# Altium PCB MyNixie - 副本.PcbDoc (part 2 of 2)
Units mm, origin at the board's own origin, x right, y up, seen from the top; angles counter-clockwise.
Board outline 190.25 x 80.25 mm, 2 copper layers (Top Layer, Bottom Layer); 206 components, 192 nets, 688 pads, 256 vias.
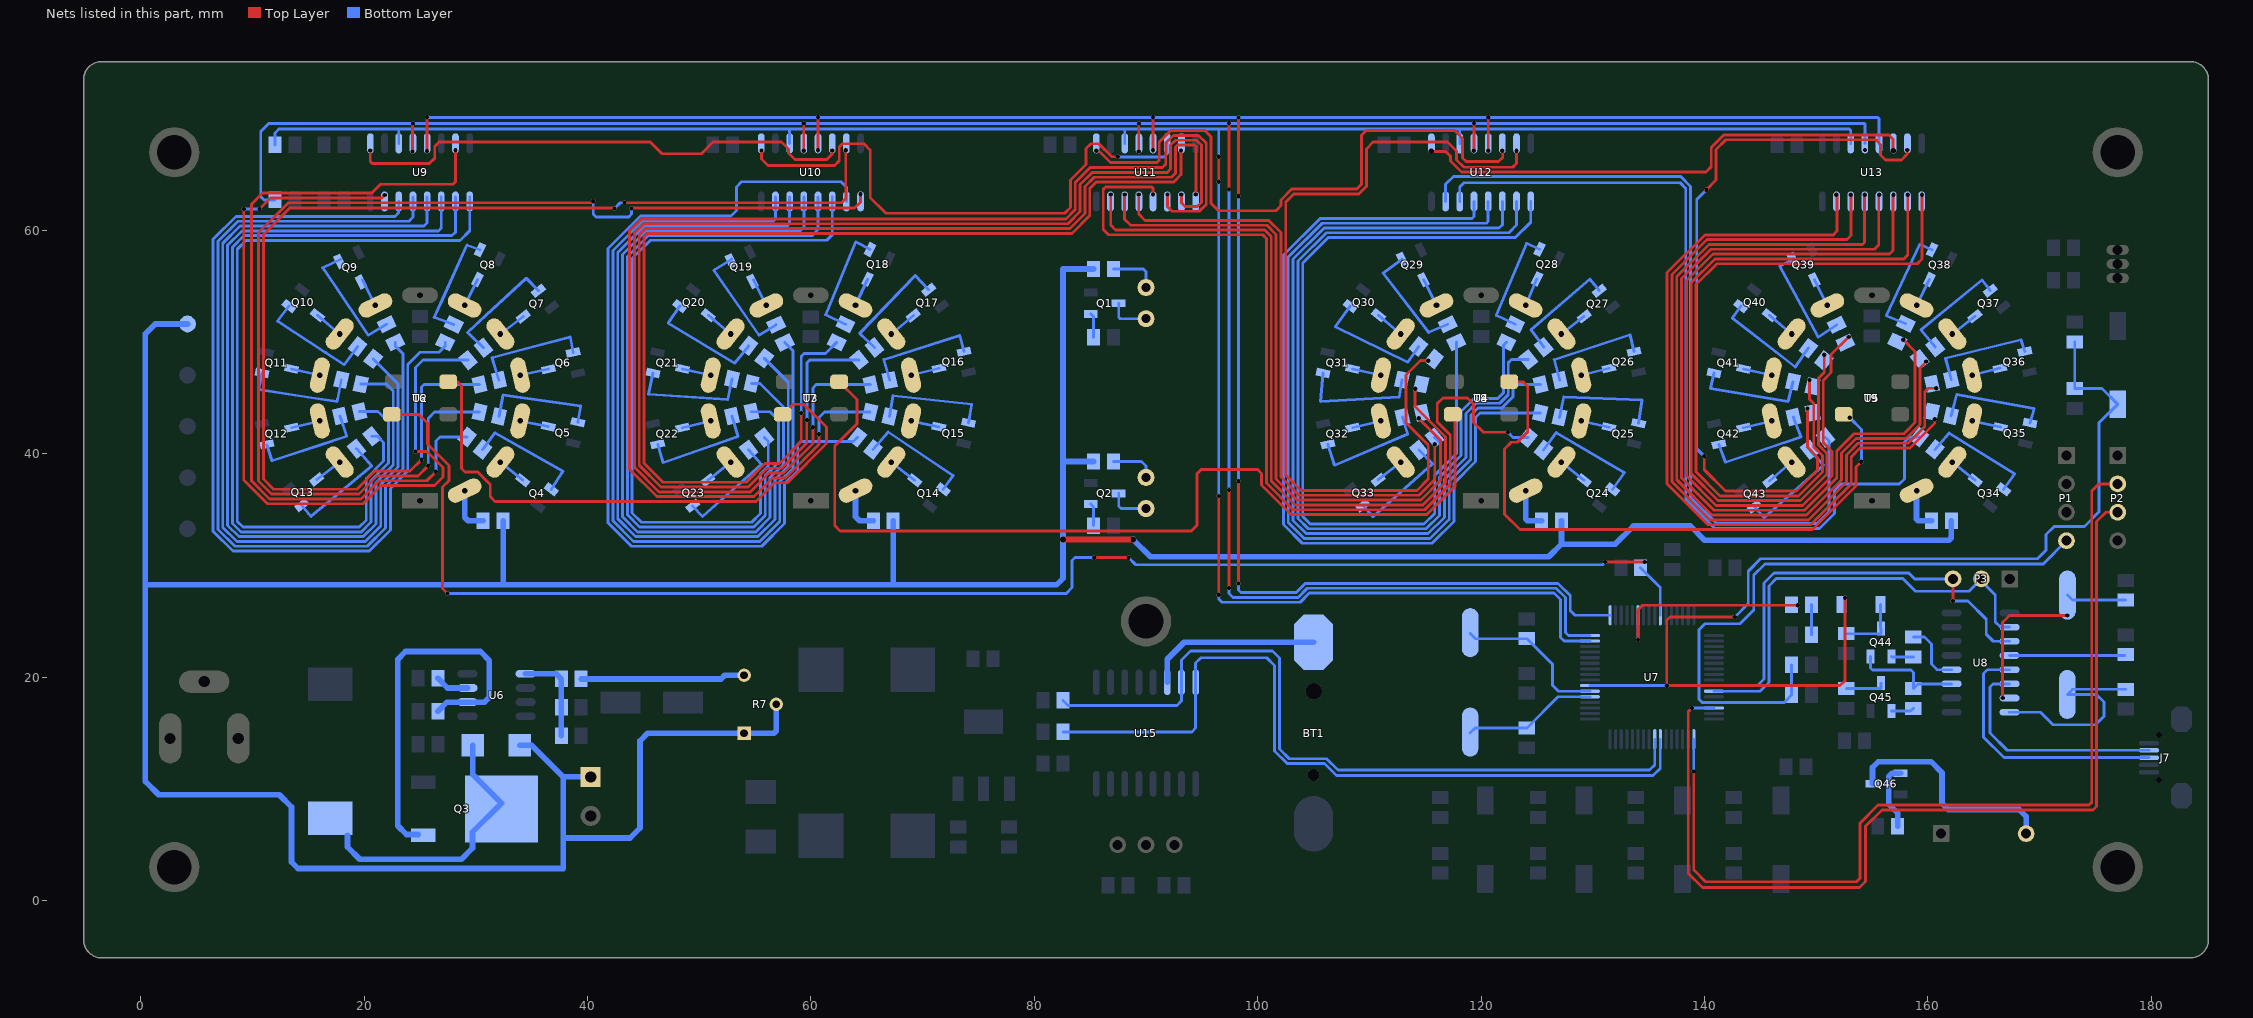
[diagram p2: the nets of this part, all layers, seen from the top]

## Via types
v1: diameter 0.381, hole 0.381, Top Layer to Bottom Layer, 190 vias
v2: diameter 0.508, hole 0.508, Top Layer to Bottom Layer, 66 vias

## Nets (pads, with @x,y where several pads share a name; then routed paths per layer and width w, separated by ;. In a path a pad name is that pad's centre, name@x,y a point inside that pad or via, vN(x,y) a via of type N, cw(c..) or ccw(c..) an arc to the next point about the centre after c; other vN are vias at no path point) (continued)
LATCHCLK: R21.2 U7.16 U9.12 U10.12 U11.12 U12.12 U13.12 | length 241
  Top Layer w0.254: v1(24.333,67.081) 24.333,69.539 v1(24.365,69.571) ; v1(59.36,67.132) v1@59.36,69.545 ; v1@89.357,67.056 v1@89.357,69.479 ; v1(97.434,27.991) v1(97.434,36.779) ; v1(97.434,63.678) v1(97.434,69.596) ; v1@119.365,67.208 v1@119.365,69.509
  Bottom Layer w0.254: R21.2@12.01,62.737 11.025,62.737 10.744,63.017 10.744,68.859 11.455,69.571 v1(24.365,69.571) v1(59.36,69.571) 154.33,69.571 154.365,69.536 U13.12@154.365,67.803 ; v1(97.434,27.991) 97.434,27.508 97.79,27.153 103.63,27.153 104.443,27.965 126.723,27.965 127.559,27.129 127.559,24.021 127.83,23.75 U7.16@129.75,23.75 ; v1(97.434,36.779) v1(97.434,63.678)
  other v1: 89.357,67.081 119.355,67.132 154.381,67.201 89.365,69.588 119.365,69.611
LED_DEBUG: R13.2 U7.22 | length 19.3
  Top Layer w0.254: v1(134.05,23.368) 134.05,26.049 134.442,26.441 v1(148.361,26.441)
  Bottom Layer w0.254: v1(134.05,23.368) U7.22@134.05,25.55
METALKEY: C3.2 P1.4 R1.2 U7.45 | length 55.6
  Bottom Layer w0.254: R1.2@147.81,21.107 C3.2@147.81,18.41 147.15,17.75 U7.45@140.85,17.75 139.806,17.75 139.522,18.034 139.522,24.257 140.056,24.79 143.18,24.79 144.412,26.022 144.412,29.147 145.415,30.15 170.332,30.15 P1.4@172.415,32.233
NetBT1_1: BT1.1 U15.14 | length 15.8
  Bottom Layer w0.508: U15.14@91.905,19.55 91.905,21.605 93.428,23.128 BT1.1@105,23.128
NetC8_2: C8.2 R3.2 R4.1 U6.5 | length 8.5
  Bottom Layer w0.508: U6.5@34.45,20.315 37.185,20.315 R4.1@37.65,19.85 C8.2@37.65,17.302 R3.2@37.65,14.755
NetC9_1: C9.1 U6.3 | length 3
  Bottom Layer w0.508: C9.1@26.6,19.91 27.465,19.045 U6.3@29.25,19.045
NetC13_2: C13.2 U7.5 Y1.1 | length 12.1
  Bottom Layer w0.254: Y1.1@119.022,15.01 119.48,15.469 C13.2@124.1,15.469 126.881,18.25 U7.5@129.75,18.25
NetC14_2: C14.2 U7.6 Y1.2 | length 14
  Bottom Layer w0.254: Y1.2@119.031,23.91 119.489,23.452 C14.2@124.1,23.452 126.39,21.162 126.39,19.279 126.919,18.75 U7.6@129.75,18.75
NetC24_1: C24.1 U8.4 | length 10.3
  Bottom Layer w0.254: U8.4@167.32,21.948 C24.1@177.638,21.948
NetC25_1: C25.1 U8.7 Y2.1 | length 18.2
  Top Layer w0.254: v1(166.7,18.136) 166.7,24.917 167.31,25.527 v1(172.491,25.527)
  Bottom Layer w0.254: Y2.1@172.504,27.36 172.963,26.902 C25.1@177.71,26.902
NetC26_1: C26.1 U8.8 Y2.2 | length 19.5
  Bottom Layer w0.254: U8.8@167.32,16.868 170.076,16.868 171.196,15.748 175.006,15.748 175.768,16.51 175.768,17.78 175.088,18.46 Y2.2@172.496,18.46 172.954,18.918 C26.1@177.71,18.918
NetD2_1: D2.1 L1.2 Q3.2 | length 24.5
  Bottom Layer w0.508: 18.5,5.843 18.5,4.8 19.6,3.7 28.7,3.7 29.7,4.7 29.7,6.13 32.29,8.72 29.72,11.29 D2.1@29.72,13.91
NetD3_K: D3.K R13.1 | length 2.7
  Bottom Layer w0.254: D3.K@149.59,23.803 R13.1@149.59,26.5
NetD4_2: D4.2 Q44.3 R19.1 | length 5.7
  Bottom Layer w0.254: R19.1@152.71,23.9 155.777,23.9 155.81,23.933 Q44.3@155.81,24.367 155.76,24.417 D4.2@155.76,26.51
NetJ8_2: J8.2 Q46.3 | length 20.6
  Bottom Layer w0.508: Q46.3@155.05,10.46 155.05,11.921 155.575,12.446 160.274,12.446 161.265,11.455 161.265,8.712 161.823,8.153 168.173,8.153 168.8,7.527 J8.2@168.8,6
NetQ1_1: Q1.1 R2.1 | length 2.2
  Bottom Layer w0.254: Q1.1@85.053,52.536 85.307,52.283 R2.1@85.307,50.438
NetQ1_3: Q1.3 UP1.2 | length 3.7
  Bottom Layer w0.254: Q1.3@87.553,53.486 87.553,52.249 87.699,52.103 UP1.2@90,52.103
NetQ2_1: Q2.1 R9.1 | length 2
  Bottom Layer w0.254: Q2.1@85.053,35.503 85.307,35.25 R9.1@85.307,33.576
NetQ2_3: Q2.3 UP2.2 | length 3.7
  Bottom Layer w0.254: Q2.3@87.553,36.453 87.553,35.332 87.782,35.103 UP2.2@90,35.103
NetQ3_1: Q3.1 R10.2 U6.2 | length 34.3
  Bottom Layer w0.508: Q3.1@24.85,5.918 23.782,5.918 23,6.7 23,21.6 23.7,22.3 30.4,22.3 31.2,21.5 31.2,18.2 30.775,17.775 U6.2@29.25,17.775 27.42,17.775 R10.2@26.6,16.955
NetQ4_3: Q4.3 T6.3 | length 2.6
  Bottom Layer w0.254: T6.3@32.193,39.264 Q4.3@34.203,37.639
NetQ5_3: Q5.3 T6.4 | length 2.6
  Bottom Layer w0.254: T6.4@33.969,42.953 Q5.3@36.481,42.448
NetQ6_3: Q6.3 T6.5 | length 2.6
  Bottom Layer w0.254: T6.5@33.969,47.047 Q6.3@36.491,47.592
NetQ7_3: Q7.3 T6.6 | length 2.6
  Bottom Layer w0.254: T6.6@32.193,50.736 Q7.3@34.243,52.301
NetQ8_3: Q8.3 T6.7 | length 2.6
  Bottom Layer w0.254: T6.7@28.992,53.289 Q8.3@30.148,55.604
NetQ9_3: Q9.3 T6.9 | length 2.6
  Bottom Layer w0.254: Q9.3@19.822,55.584 T6.9@21.008,53.289
NetQ10_3: Q10.3 T6.10 | length 2.6
  Bottom Layer w0.254: Q10.3@15.817,52.411 T6.10@17.807,50.736
NetQ11_3: Q11.3 T6.11 | length 2.6
  Bottom Layer w0.254: Q11.3@13.499,47.612 T6.11@16.031,47.047
NetQ12_3: Q12.3 T6.12 | length 2.6
  Bottom Layer w0.254: Q12.3@13.509,42.338 T6.12@16.031,42.953
NetQ13_3: Q13.3 T6.13 | length 2.6
  Bottom Layer w0.254: Q13.3@15.757,37.709 T6.13@17.807,39.264
NetQ14_3: Q14.3 T7.3 | length 2.6
  Bottom Layer w0.254: T7.3@67.193,39.264 Q14.3@69.283,37.639
NetQ15_3: Q15.3 T7.4 | length 2.5
  Bottom Layer w0.254: T7.4@68.969,42.953 Q15.3@71.451,42.408
NetQ16_3: Q16.3 T7.5 | length 2.6
  Bottom Layer w0.254: T7.5@68.969,47.047 Q16.3@71.471,47.672
NetQ17_3: Q17.3 T7.6 | length 2.6
  Bottom Layer w0.254: T7.6@67.193,50.736 Q17.3@69.173,52.391
NetQ18_3: Q18.3 T7.7 | length 2.6
  Bottom Layer w0.254: T7.7@63.992,53.289 Q18.3@65.068,55.634
NetQ19_3: Q19.3 T7.9 | length 2.6
  Bottom Layer w0.254: Q19.3@54.852,55.594 T7.9@56.008,53.289
NetQ20_3: Q20.3 T7.10 | length 2.6
  Bottom Layer w0.254: Q20.3@50.817,52.411 T7.10@52.807,50.736
NetQ21_3: Q21.3 T7.11 | length 2.6
  Bottom Layer w0.254: Q21.3@48.499,47.612 T7.11@51.031,47.047
NetQ22_3: Q22.3 T7.12 | length 2.6
  Bottom Layer w0.254: Q22.3@48.509,42.338 T7.12@51.031,42.953
NetQ23_3: Q23.3 T7.13 | length 2.6
  Bottom Layer w0.254: Q23.3@50.767,37.649 T7.13@52.807,39.264
NetQ24_3: Q24.3 T8.3 | length 2.6
  Bottom Layer w0.254: T8.3@127.193,39.264 Q24.3@129.223,37.639
NetQ25_3: Q25.3 T8.4 | length 2.6
  Bottom Layer w0.254: T8.4@128.969,42.953 Q25.3@131.461,42.378
NetQ26_3: Q26.3 T8.5 | length 2.6
  Bottom Layer w0.254: T8.5@128.969,47.047 Q26.3@131.461,47.672
NetQ27_3: Q27.3 T8.6 | length 2.6
  Bottom Layer w0.254: T8.6@127.193,50.736 Q27.3@129.223,52.311
NetQ28_3: Q28.3 T8.7 | length 2.6
  Bottom Layer w0.254: T8.7@123.992,53.289 Q28.3@124.998,55.664
NetQ29_3: Q29.3 T8.9 | length 2.6
  Bottom Layer w0.254: Q29.3@114.852,55.594 T8.9@116.008,53.289
NetQ30_3: Q30.3 T8.10 | length 2.6
  Bottom Layer w0.254: Q30.3@110.817,52.411 T8.10@112.807,50.736
NetQ31_3: Q31.3 T8.11 | length 2.6
  Bottom Layer w0.254: Q31.3@108.499,47.612 T8.11@111.031,47.047
NetQ32_3: Q32.3 T8.12 | length 2.6
  Bottom Layer w0.254: Q32.3@108.509,42.338 T8.12@111.031,42.953
NetQ33_3: Q33.3 T8.13 | length 2.6
  Bottom Layer w0.254: Q33.3@110.787,37.669 T8.13@112.807,39.264
NetQ34_3: Q34.3 T9.3 | length 2.6
  Bottom Layer w0.254: T9.3@162.193,39.264 Q34.3@164.233,37.639
NetQ35_3: Q35.3 T9.4 | length 2.6
  Bottom Layer w0.254: T9.4@163.969,42.953 Q35.3@166.501,42.398
NetQ36_3: Q36.3 T9.5 | length 2.6
  Bottom Layer w0.254: T9.5@163.969,47.047 Q36.3@166.461,47.682
NetQ37_3: Q37.3 T9.6 | length 2.6
  Bottom Layer w0.254: T9.6@162.193,50.736 Q37.3@164.223,52.321
NetQ38_3: Q38.3 T9.7 | length 2.6
  Bottom Layer w0.254: T9.7@158.992,53.289 Q38.3@160.138,55.614
NetQ39_3: Q39.3 T9.9 | length 2.6
  Bottom Layer w0.254: Q39.3@149.842,55.594 T9.9@151.008,53.289
NetQ40_3: Q40.3 T9.10 | length 2.6
  Bottom Layer w0.254: Q40.3@145.817,52.411 T9.10@147.807,50.736
NetQ41_3: Q41.3 T9.11 | length 2.6
  Bottom Layer w0.254: Q41.3@143.499,47.612 T9.11@146.031,47.047
NetQ42_3: Q42.3 T9.12 | length 2.6
  Bottom Layer w0.254: Q42.3@143.509,42.338 T9.12@146.031,42.953
NetQ43_3: Q43.3 T9.13 | length 2.6
  Bottom Layer w0.254: Q43.3@145.837,37.569 T9.13@147.807,39.264
NetQ44_1: Q44.1 R20.2 | length 2
  Bottom Layer w0.254: Q44.1@156.76,21.867 156.807,21.82 R20.2@158.71,21.82
NetQ44_2: Q44.2 R28.1 U8.11 | length 10.1
  Bottom Layer w0.254: Q44.2@154.86,21.867 154.86,20.832 155.042,20.65 158.496,20.65 158.71,20.436 R28.1@158.71,19 159.118,19.408 U8.11@162.12,19.408
NetQ45_1: Q45.1 R28.2 | length 2.1
  Bottom Layer w0.254: Q45.1@156.76,16.967 158.457,16.967 R28.2@158.71,17.22
NetQ45_3: Q45.3 R60.2 | length 3.6
  Bottom Layer w0.254: R60.2@152.71,19 155.804,19 155.81,19.006 Q45.3@155.81,19.467
NetQ46_1: Q46.1 R74.2 | length 6
  Bottom Layer w0.508: R74.2@157.297,6.66 157.297,7.849 156.489,8.656 156.489,11.1 156.8,11.41 Q46.1@157.55,11.41
NetR4_2: R4.2 R7.3 | length 14.7
  Bottom Layer w0.508: R4.2@39.43,19.85 51.95,19.85 52.28,20.18 R7.3@54.02,20.18
NetR5_1: R5.1 UP1.1 | length 4.4
  Bottom Layer w0.254: R5.1@87.086,56.555 89.749,56.555 90,56.304 UP1.1@90,54.897
NetR6_1: R6.1 T7.2 | length 4.1
  Bottom Layer w0.508: T7.2@63.992,36.711 63.992,34.377 64.358,34.011 R6.1@65.582,34.011
NetR8_1: R8.1 T6.2 | length 4.2
  Bottom Layer w0.508: T6.2@28.992,36.711 28.992,34.33 29.312,34.011 R8.1@30.657,34.011
NetR11_1: R11.1 UP2.1 | length 4.1
  Bottom Layer w0.254: R11.1@87.086,39.316 89.589,39.316 90,38.905 UP2.1@90,37.897
NetR15_1: R15.1 T8.2 | length 4
  Bottom Layer w0.508: T8.2@123.992,36.711 123.992,34.166 124.148,34.011 R15.1@125.424,34.011
NetR16_1: R16.1 T9.2 | length 3.9
  Bottom Layer w0.508: T9.2@158.992,36.711 158.992,34.165 159.146,34.011 R16.1@160.324,34.011
NetR20_1: R20.1 U8.12 | length 5.7
  Bottom Layer w0.254: R20.1@158.71,23.6 159.712,23.6 160.325,22.987 160.325,21.184 160.83,20.678 U8.12@162.12,20.678
NetR22_1: R22.1 U9.15 | length 70.6
  Top Layer w0.254: v1(26.416,38.405) 25.603,37.592 21.338,37.592 19.713,35.966 11.529,35.966 9.906,37.59 9.906,62.357 10.897,63.348 20.676,63.348 21.463,64.135 27.94,64.135 28.169,64.364 v1(28.169,67.183)
  Bottom Layer w0.254: v1(26.416,38.405) 26.416,41.148 26.773,41.505 R22.1@29.214,41.505
NetR23_1: R23.1 U10.15 | length 107.1
  Top Layer w0.254: v1(25.121,39.472) 24.105,38.456 20.98,38.456 19.355,36.83 11.887,36.83 10.973,37.744 10.973,59.638 13.336,62.001 v1@42.418,62.001 ; v1(43.307,62.484) 62.738,62.484 63.119,62.865 v1(63.119,67.183)
  Bottom Layer w0.254: v1(25.121,39.472) 25.121,45.974 25.359,46.212 R23.1@30.322,46.212 ; v1(42.418,61.976) 42.926,62.484 v1(43.307,62.484)
NetR24_1: R24.1 U11.15 | length 101.8
  Top Layer w0.254: v1(59.131,43.663) 59.131,41.097 57.175,39.141 55.88,39.141 54.204,37.465 46.761,37.465 45.06,39.167 45.06,59.411 45.39,59.741 83.366,59.741 84.963,61.338 84.963,63.751 85.55,64.338 92.481,64.338 93.142,64.999 v1(93.142,67.158)
  Bottom Layer w0.254: v1(59.131,43.663) 59.131,48.717 59.387,48.973 61.289,48.973 R24.1@62.314,49.998
NetR25_1: R25.1 U12.15 | length 78.4
  Top Layer w0.254: v1(115.28,48.349) 114.577,48.349 113.289,47.061 113.289,42.781 115.265,40.805 115.265,37.744 114.249,36.728 103.887,36.728 102.514,38.101 102.514,62.56 103.226,63.271 109.042,63.271 109.728,63.957 109.728,67.31 110.338,67.92 116.992,67.92 117.805,67.107 117.805,66.319 118.466,65.659 122.834,65.659 123.172,65.997 v1@123.172,67.173
  other v1: 123.172,67.132
NetR26_1: R26.1 U13.15 | length 66.8
  Top Layer w0.254: v1(139.982,39.787) 139.982,38.58 141.887,36.675 148.242,36.675 150.124,38.557 150.124,39.687 149.217,40.594 v1(149.217,44.061) ; v1@140.073,63.508 v1@140.199,63.633 ; v1(140.178,63.655) 141.046,64.524 141.046,67.258 141.911,68.123 155.346,68.123 155.778,67.691 155.778,66.751 156.21,66.319 157.632,66.319 158.161,66.848 v1(158.161,67.201)
  Bottom Layer w0.254: v1(139.982,39.787) 139.309,40.46 139.309,62.786 v1(140.178,63.655)
NetR29_1: R29.1 U9.1 | length 69.8
  Bottom Layer w0.254: R29.1@20.706,41.575 21.188,41.575 21.742,41.021 21.742,39.353 20.192,37.802 20.192,34.091 19.553,33.452 9.144,33.452 8.636,33.96 8.636,58.318 9.423,59.106 28.575,59.106 29.445,59.976 U9.1@29.445,63.01
NetR30_1: R30.1 U10.1 | length 105.7
  Top Layer w0.254: v1(25.73,38.938) 24.816,38.024 21.159,38.024 19.534,36.398 11.708,36.398 10.541,37.566 10.541,59.817 13.208,62.484 40.386,62.484 v1(40.513,62.611) ; v1(43.942,61.976) 43.967,62.001 45.208,62.001 45.209,62.002 63.907,62.002 64.44,62.535 v1(64.44,63.246)
  Bottom Layer w0.254: v1@25.73,39.116 25.73,43.18 26.288,43.738 R30.1@30.332,43.738 ; v1(40.513,62.611) 40.513,61.468 40.767,61.214 43.688,61.214 43.942,61.468 v1(43.942,61.976)
NetR31_1: R31.1 U11.1 | length 110.3
  Top Layer w0.254: v1@59.627,43.028 59.627,40.982 57.354,38.71 56.059,38.71 54.382,37.033 46.583,37.033 44.628,38.988 44.628,59.589 45.211,60.173 83.187,60.173 84.531,61.517 84.531,63.93 85.372,64.77 92.278,64.77 92.634,65.126 92.634,67.462 92.824,67.653 94.348,67.653 94.463,67.539 v1@94.463,63.246
  Bottom Layer w0.254: v1(59.639,43.028) 59.639,48.158 59.896,48.415 R31.1@64.304,48.415
  other v1: 94.463,63.221
NetR32_1: R32.1 U12.1 | length 75.1
  Bottom Layer w0.254: R32.1@117.786,50.008 117.786,40.025 115.849,38.088 115.849,34.675 114.905,33.731 104.704,33.731 104.033,34.402 104.033,57.081 106.312,59.36 123.063,59.36 124.445,60.742 U12.1@124.445,62.603
NetR33_1: R33.1 U13.1 | length 65.4
  Top Layer w0.254: v1(149.405,46.622) 149.405,44.889 149.781,44.514 149.781,40.64 150.556,39.866 150.556,38.378 148.421,36.243 141.404,36.243 139.25,38.397 139.25,55.161 141.11,57.02 159.052,57.02 159.469,57.437 v1@159.469,63.137
  other v1: 159.469,63.21
NetR34_1: R34.1 U9.2 | length 74.1
  Bottom Layer w0.254: R34.1@19.578,43.798 21.251,43.798 22.174,42.875 22.174,39.174 20.623,37.623 20.623,33.912 19.732,33.02 8.965,33.02 8.204,33.781 8.204,58.497 9.245,59.538 27.864,59.538 28.175,59.849 U9.2@28.175,63.01
NetR35_1: R35.1 U10.2 | length 81.8
  Bottom Layer w0.254: U10.2@63.175,62.603 63.175,63.876 62.687,64.364 53.797,64.364 53.34,63.906 53.34,61.798 52.832,61.29 44.75,61.29 41.834,58.374 41.834,33.828 43.937,31.725 55.601,31.725 57.633,33.757 57.633,37.333 58.826,38.527 58.826,40.869 59.08,41.123 63.802,41.123 R35.1@64.174,41.495
NetR36_1: R36.1 U11.2 | length 114.9
  Top Layer w0.254: v1(60.173,42.393) 60.173,40.917 57.533,38.278 56.238,38.278 54.561,36.601 46.404,36.601 44.196,38.809 44.196,59.768 45.032,60.604 83.008,60.604 84.099,61.696 84.099,64.109 85.193,65.202 91.897,65.202 92.202,65.507 92.202,67.641 92.645,68.085 94.527,68.085 94.958,67.654 94.958,62.522 94.59,62.154 93.497,62.154 93.167,62.484 v1(93.167,63.221)
  Bottom Layer w0.254: v1@60.173,42.367 v1(60.173,42.393) 60.173,45.898 60.477,46.202 R36.1@65.322,46.202
NetR37_1: R37.1 U12.2 | length 78.8
  Bottom Layer w0.254: R37.1@122.274,49.998 121.996,49.72 121.996,45.468 121.492,44.963 119.382,44.963 118.218,43.799 118.218,39.846 116.281,37.909 116.281,34.496 115.084,33.299 104.525,33.299 103.602,34.223 103.602,57.26 106.133,59.792 122.479,59.792 123.175,60.488 U12.2@123.175,62.603
NetR38_1: R38.1 U13.2 | length 68.2
  Top Layer w0.254: v1(150.731,48.877) 150.731,47.292 150.213,46.774 150.213,40.819 150.988,40.045 150.988,38.199 148.6,35.811 141.225,35.811 138.819,38.218 138.819,55.34 140.931,57.452 157.85,57.452 158.209,57.811 v1@158.209,63.076
  other v1: 158.193,63.21
NetR40_1: R40.1 U9.3 | length 77.5
  Bottom Layer w0.254: R40.1@19.688,46.242 21.982,46.242 22.606,45.618 22.606,38.995 21.055,37.444 21.055,33.733 19.91,32.588 8.786,32.588 7.772,33.602 7.772,58.676 9.066,59.969 26.645,59.969 26.905,60.23 U9.3@26.905,63.01
NetR41_1: R41.1 U10.3 | length 64.4
  Bottom Layer w0.254: R41.1@55.816,41.475 56.185,41.106 56.185,38.938 55.474,38.227 55.474,34.651 54.706,33.884 44.831,33.884 43.993,34.722 43.993,57.48 45.644,59.131 61.417,59.131 61.905,59.619 U10.3@61.905,63.01
NetR42_1: R42.1 U11.3 | length 116.9
  Top Layer w0.254: v1(60.731,41.758) 60.731,40.865 57.712,37.846 56.566,37.846 54.889,36.17 46.225,36.17 43.764,38.63 43.764,59.947 44.853,61.036 82.829,61.036 83.668,61.874 83.668,64.287 85.014,65.634 91.465,65.634 91.77,65.938 91.77,67.82 92.467,68.516 94.706,68.516 95.39,67.833 95.39,62.343 94.768,61.722 92.329,61.722 91.923,62.128 v1(91.923,63.221)
  Bottom Layer w0.254: v1(60.731,41.758) 60.731,43.256 61.223,43.748 R42.1@65.302,43.748
NetR43_1: R43.1 U12.3 | length 79.5
  Bottom Layer w0.254: U12.3@121.905,62.603 121.905,60.521 121.608,60.223 105.954,60.223 103.17,57.439 103.17,34.044 104.346,32.868 115.263,32.868 116.713,34.318 116.713,37.73 118.65,39.667 118.65,43.62 119.561,44.532 121.67,44.532 122.428,45.289 122.428,48.158 122.715,48.445 R43.1@124.224,48.445
NetR44_1: R44.1 U13.3 | length 71
  Top Layer w0.254: v1(152.916,50.457) 151.343,48.885 151.343,47.294 150.645,46.595 150.645,40.998 151.42,40.223 151.42,38.021 148.779,35.38 141.047,35.38 138.387,38.039 138.387,55.519 140.752,57.884 156.563,57.884 156.891,58.212 v1@156.891,63.167
  other v1: 156.917,63.21
NetR45_1: R45.1 U9.4 | length 78.6
  Bottom Layer w0.254: R45.1@20.806,48.505 23.038,46.273 23.038,38.816 21.487,37.265 21.487,33.554 20.089,32.156 8.607,32.156 7.341,33.423 7.341,58.855 8.887,60.401 25.349,60.401 25.635,60.687 U9.4@25.635,63.01
NetR46_1: R46.1 U10.4 | length 69.1
  Bottom Layer w0.254: R46.1@54.678,43.778 56.323,43.778 57.099,43.002 57.099,39.242 55.905,38.048 55.905,34.472 54.885,33.452 44.652,33.452 43.561,34.543 43.561,57.659 45.465,59.563 60.122,59.563 60.635,60.076 U10.4@60.635,63.01
NetR47_1: R47.1 U11.4 | length 82.5
  Top Layer w0.254: v1(90.627,63.221) 90.627,63.792 90.513,63.906 86.38,63.906 86.172,63.698 86.172,60.096 86.655,59.614 100.454,59.614 100.787,59.28 100.787,37.386 103.172,35.001 114.965,35.001 117.246,37.283 117.246,41.695 116.078,42.864 116.078,44.501 116.586,45.009 118.796,45.009 119.329,44.475 119.329,42.824 120.218,41.935 v1(122.403,41.935)
  Bottom Layer w0.254: v1(122.403,41.935) 122.873,41.465 R47.1@124.204,41.465
NetR48_1: R48.1 U12.4 | length 78.5
  Bottom Layer w0.254: U12.4@120.635,62.603 120.635,60.798 120.493,60.655 105.775,60.655 102.738,57.618 102.738,33.865 104.167,32.436 115.442,32.436 117.145,34.139 117.145,37.552 119.082,39.488 119.082,43.441 119.74,44.1 121.849,44.1 122.86,45.11 122.86,45.949 123.123,46.212 R48.1@125.312,46.212
NetR49_1: R49.1 U13.4 | length 75.8
  Top Layer w0.254: v1@155.608,63.167 155.608,58.707 155.217,58.316 140.573,58.316 137.955,55.698 137.955,37.861 140.868,34.948 148.957,34.948 151.851,37.842 151.851,40.269 153.391,41.808 157.856,41.808 158.867,42.819 158.867,49.159 v1(157.8,50.226)
  other v1: 155.641,63.21
NetR50_1: R50.1 U9.5 | length 79.8
  Bottom Layer w0.254: R50.1@22.776,49.998 22.776,49.665 23.47,48.971 23.47,38.637 21.919,37.087 21.919,33.375 20.268,31.725 8.429,31.725 6.909,33.244 6.909,59.034 8.708,60.833 24.003,60.833 24.365,61.195 U9.5@24.365,63.01
NetR51_1: R51.1 U10.5 | length 71.9
  Bottom Layer w0.254: R51.1@54.678,46.312 55.429,46.312 57.531,44.21 57.531,39.063 56.337,37.869 56.337,34.293 55.064,33.02 44.473,33.02 43.129,34.364 43.129,57.838 45.286,59.995 59.055,59.995 59.365,60.305 U10.5@59.365,63.01
NetR52_1: R52.1 U11.5 | length 55.7
  Top Layer w0.254: v1@89.357,63.144 89.357,61.468 89.916,60.909 100.99,60.909 102.083,59.817 102.083,37.922 103.708,36.297 114.428,36.297 115.849,37.718 v1(115.849,40.869)
  Bottom Layer w0.254: R52.1@115.836,41.455 R52.1@116.23,41.06
  other v1: 89.357,63.221
NetR53_1: R53.1 U12.5 | length 76.8
  Bottom Layer w0.254: U12.5@119.365,62.603 119.365,61.257 119.195,61.087 105.596,61.087 102.306,57.797 102.306,33.686 103.988,32.004 115.621,32.004 117.577,33.96 117.577,37.373 119.513,39.31 119.513,43.263 119.919,43.668 R53.1@125.292,43.668
NetR54_1: R54.1 U13.5 | length 74.4
  Top Layer w0.254: v1@154.338,63.266 154.338,58.936 154.15,58.748 140.394,58.748 137.523,55.877 137.523,37.682 140.689,34.516 149.136,34.516 152.283,37.663 152.283,40.09 153.569,41.377 158.035,41.377 159.299,42.64 159.299,47.701 v1(159.87,48.273)
  other v1: 154.365,63.21
NetR55_1: R55.1 U9.6 | length 82
  Bottom Layer w0.254: U9.6@23.095,62.603 23.095,61.601 22.758,61.265 8.529,61.265 6.477,59.213 6.477,33.066 8.25,31.293 20.447,31.293 22.351,33.196 22.351,36.908 23.901,38.459 23.901,48.006 24.994,49.098 26.695,49.098 27.254,49.657 R55.1@27.254,49.978
NetR56_1: R56.1 U10.6 | length 73.9
  Bottom Layer w0.254: R56.1@55.816,48.565 57.963,46.418 57.963,38.884 56.769,37.69 56.769,34.114 55.243,32.588 44.294,32.588 42.697,34.185 42.697,58.017 45.107,60.427 57.887,60.427 58.095,60.635 U10.6@58.095,63.01
NetR57_1: R57.1 U11.6 | length 60.7
  Top Layer w0.254: v1@88.087,63.094 88.087,61.011 88.621,60.477 100.812,60.477 101.651,59.638 101.651,37.743 103.529,35.865 114.607,35.865 116.383,37.641 116.383,41.224 v1(114.427,43.18)
  other v1: 88.087,63.221
NetR58_1: R58.1 U12.6 | length 78.3
  Bottom Layer w0.254: U12.6@118.095,62.603 118.095,63.899 118.476,64.28 137.83,64.28 138.333,63.776 138.333,35.922 140.928,33.327 150.294,33.327 151.638,34.671 151.638,36.728 152.203,37.293 157.449,37.293 157.912,37.756 157.912,41.058 158.369,41.515 R58.1@159.244,41.515
NetR59_1: R59.1 U13.6 | length 72.9
  Top Layer w0.254: v1@153.114,63.213 153.114,59.54 152.753,59.179 140.215,59.179 137.091,56.055 137.091,37.503 140.51,34.084 149.315,34.084 152.715,37.484 152.715,39.911 153.748,40.945 158.214,40.945 159.73,42.462 159.73,45.537 160.071,45.877 v1(160.754,45.877)
  other v1: 153.089,63.21
NetR61_1: R61.1 U9.7 | length 73.6
  Top Layer w0.254: v1(9.22,61.925) 9.22,37.665 11.351,35.535 19.891,35.535 21.517,37.16 26.289,37.16 27.051,37.922 27.051,38.786 25.629,40.208 v1(24.587,40.208) ; v1(10.617,61.925) 11.608,62.916 21.59,62.916 v1(21.844,63.17) v1@21.768,63.17
  Bottom Layer w0.254: v1(9.22,61.925) v1(10.617,61.925) ; v1(24.587,40.208) 24.587,47.727 25.256,48.395 R61.1@29.294,48.395
NetR62_1: R62.1 U10.7 | length 75.2
  Bottom Layer w0.254: U10.7@56.825,63.01 56.825,61.041 56.642,60.858 44.928,60.858 42.266,58.196 42.266,34.006 44.116,32.156 55.422,32.156 57.201,33.935 57.201,37.512 58.395,38.705 58.395,49.23 R62.1@57.656,49.968
NetR63_1: R63.1 U11.7 | length 66.2
  Top Layer w0.254: v1(86.843,63.221) 86.843,60.477 87.274,60.046 100.633,60.046 101.219,59.459 101.219,37.564 103.35,35.433 114.786,35.433 116.815,37.462 116.815,41.516 114.097,44.234 v1(114.097,45.822)
NetR64_1: R64.1 U12.7 | length 72.6
  Bottom Layer w0.254: U12.7@116.825,62.603 116.825,64.14 117.531,64.846 137.874,64.846 138.765,63.955 138.765,36.101 141.107,33.759 150.066,33.759 151.14,34.834 151.14,41.161 R64.1@150.826,41.475
NetR65_1: R65.1 U13.7 | length 70
  Top Layer w0.254: v1@151.864,63.266 151.864,59.941 151.534,59.611 140.037,59.611 136.66,56.234 136.66,37.324 140.331,33.652 149.494,33.652 153.147,37.305 153.147,39.733 153.927,40.513 158.392,40.513 160.614,42.735 v1(160.614,43.109)
  other v1: 151.813,63.21
NetU2_2: U2.2 U3.4 | length 52
  Top Layer w0.254: U2.2@27.527,46.46 28.343,46.46 28.727,46.076 28.727,38.684 29.019,38.392 30.162,38.392 31.293,37.262 31.293,36.17 31.725,35.738 55.068,35.738 56.745,37.414 57.891,37.414 61.392,40.915 61.392,42.393 59.334,44.45 58.383,44.45 U3.4@57.473,43.539
NetU3_2: U3.2 U4.4 | length 85
  Top Layer w0.254: U3.2@62.527,46.46 64.11,44.878 64.11,42.697 62.128,40.716 62.128,33.579 62.611,33.096 94.056,33.096 94.564,33.604 94.564,38.227 94.945,38.608 100,38.608 100.355,38.252 100.355,37.207 102.993,34.569 115.143,34.569 117.678,37.104 117.678,43.334 U4.4@117.473,43.539
NetU4_2: U4.2 U5.4 | length 54.8
  Top Layer w0.254: U4.2@122.527,46.46 123.745,46.46 124.181,46.025 124.181,41.986 123.241,41.046 122.707,41.046 122.098,40.437 122.098,34.595 123.472,33.221 149.673,33.221 153.579,37.126 153.579,38.821 v1(154.051,39.294)
  Bottom Layer w0.254: v1(153.01,43.231) 154.051,42.189 v1(154.051,39.294)
NetU9_9: U9.9 U10.14 | length 46.1
  Top Layer w0.254: v1(20.549,67.158) 20.549,66.167 20.726,65.989 25.832,65.989 26.314,66.472 26.314,67.513 26.721,67.92 45.618,67.92 46.66,66.878 50.19,66.878 51.232,67.92 57.353,67.92 57.988,67.285 57.988,66.929 58.572,66.345 61.417,66.345 61.9,66.827 v1(61.9,67.158)
NetU10_9: U10.9 U11.14 | length 50.3
  Top Layer w0.254: v1(55.575,67.158) 55.575,66.396 56.159,65.811 62.103,65.811 62.535,66.243 62.535,67.488 62.814,67.767 64.745,67.767 65.303,67.208 65.303,62.967 66.726,61.544 82.727,61.544 83.236,62.053 83.236,64.516 84.633,65.913 84.633,67.335 85.065,67.767 85.776,67.767 86.944,66.599 v1(87.478,66.599)
  Bottom Layer w0.254: v1(87.478,66.599) 87.49,66.586 91.605,66.586 91.905,66.886 U11.14@91.905,67.803
NetU11_9: U11.9 U12.14 | length 54.2
  Top Layer w0.254: v1(85.547,67.132) 85.8,67.132 86.829,66.103 90.998,66.103 91.186,66.291 91.186,67.92 92.215,68.948 95.263,68.948 95.822,68.389 95.822,62.446 96.495,61.773 101.625,61.773 102.083,62.23 102.083,62.739 103.047,63.703 108.863,63.703 109.296,64.136 109.296,68.529 109.715,68.948 117.64,68.948 118.339,68.25 118.339,66.497 118.669,66.167 121.564,66.167 121.945,66.548 121.945,67.081 v1(121.895,67.132)
NetU12_9: U12.9 U13.14 | length 46
  Top Layer w0.254: v2(115.545,67.081) 116.84,67.081 117.272,66.65 117.272,66.218 118.262,65.227 140.132,65.227 140.614,65.71 140.614,67.437 141.732,68.555 156.515,68.555 156.896,68.174 v2(156.896,67.137)
OE#: U7.17 U9.13 U10.13 U11.13 U12.13 U13.13 | length 222.2
  Top Layer w0.254: v1(25.629,67.107) v1@25.629,70.206 ; v1(60.63,67.183) v1(60.63,70.129) ; v1(90.627,67.183) v1(90.627,70.129) ; v1(98.273,37.541) v1(98.273,28.397) v1@98.298,28.372 ; v1(98.273,70.12) v1(98.273,63.068) v1@98.298,63.043 ; v1@120.65,67.183 v1(120.65,70.129)
  Bottom Layer w0.254: v1@25.629,70.12 v1(98.273,70.12) 155.533,70.12 155.635,70.019 U13.13@155.635,67.803 ; v1(98.273,28.397) 98.273,27.813 98.501,27.584 103.451,27.584 104.264,28.397 126.902,28.397 127.991,27.308 127.991,25.984 128.425,25.55 U7.17@131.55,25.55 ; v1(98.273,37.541) v1(98.273,63.068)
  other v1: 120.65,67.132 25.629,70.129
RGB: R12.1 U2.4 U7.26 | length 135.2
  Top Layer w0.254: U2.4@22.473,43.539 24.888,43.539 25.654,42.774 25.654,40.894 27.584,38.964 27.584,37.592 27.026,37.033 27.026,27.94 v1(27.457,27.508) ; v1(85.369,30.709) v1(88.443,30.709) ; v1(131.115,30.328) v1(134.645,30.328)
  Bottom Layer w0.254: v1(27.457,27.508) 82.855,27.508 83.388,28.042 83.388,30.455 83.642,30.709 v1(85.369,30.709) ; v1(88.443,30.709) 89.078,30.074 130.861,30.074 v1(131.115,30.328) ; R12.1@134.29,29.8 136.05,28.04 U7.26@136.05,25.55
RST: C18.2 D4.1 R18.2 S1.1 U7.7 | length 100.5
  Top Layer w0.254: v1(142.723,25.4) 136.906,25.4 136.623,25.117 v1(136.623,19.25) 152.143,19.25 152.578,19.685 v1(152.578,27.127)
  Bottom Layer w0.254: U7.7@129.75,19.25 v1(136.623,19.25) ; v1(142.723,25.4) 143.916,26.594 143.916,29.489 145.034,30.607 169.824,30.607 170.586,31.369 170.586,32.766 171.323,33.503 174.015,33.503 175.336,34.823 175.336,42.78 S1.1@177,44.444 175.592,45.852 R18.2@173.15,45.852 C18.2@173.15,50.036
RX1: P3.2 U7.43 U8.2 | length 39.7
  Bottom Layer w0.254: U7.43@140.85,18.75 144.988,18.75 145.771,19.533 145.771,28.169 146.431,28.829 157.759,28.829 158.89,27.699 163.69,27.699 164.694,28.702 166.04,27.356 166.04,24.943 166.494,24.488 U8.2@167.32,24.488
SCL: R67.1 U7.55 U15.16 | length 71.4
  Bottom Layer w0.254: R67.1@82.57,15.105 94.105,15.105 94.445,15.445 U15.16@94.445,19.55 94.445,21.268 94.92,21.742 100.813,21.742 101.498,21.057 101.498,13.411 102.641,12.268 105.993,12.268 107.06,11.201 135.407,11.201 136.05,11.844 U7.55@136.05,14.45
SDA: R68.1 U7.56 U15.15 | length 69
  Bottom Layer w0.254: R68.1@82.57,17.93 83.025,17.475 92.761,17.475 93.175,17.889 U15.15@93.175,19.55 93.175,21.547 93.98,22.352 101.321,22.352 101.956,21.717 101.956,13.565 102.82,12.7 106.172,12.7 107.188,11.684 135.077,11.684 135.55,12.157 U7.56@135.55,14.45
SHIFTCLK: R27.2 U7.15 U9.11 U10.11 U11.11 U12.11 U13.11 | length 228.1
  Top Layer w0.254: v1(96.52,27.381) v1(96.52,36.22) ; v1(96.52,66.599) v1(96.52,64.364) v1@96.545,64.338
  Bottom Layer w0.254: R27.2@12.01,67.67 12.01,68.728 12.357,69.075 58.115,69.075 ; U9.11@23.095,67.803 23.095,69.063 ; U10.11@58.095,67.803 58.095,69.055 58.115,69.075 ; U11.11@88.095,67.803 88.095,69.009 ; v1(96.52,27.381) 96.52,27 96.799,26.721 103.809,26.721 104.622,27.534 126.544,27.534 127.127,26.95 127.127,23.572 127.449,23.25 U7.15@129.75,23.25 ; v1(96.52,36.22) v1(96.52,64.364) ; v1(96.52,66.599) 96.52,69.075 ; U12.11@118.095,67.803 118.095,69.075 ; U13.11@153.095,67.803 153.095,68.952 152.971,69.075 118.095,69.075 ; 58.115,69.075 96.52,69.075 ; 96.52,69.075 118.095,69.075
SWCLK: P2.2 U7.49 | length 84.1
  Top Layer w0.254: v1(139.05,11.557) 139.05,2.733 140.091,1.691 153.609,1.691 153.924,2.007 153.924,6.934 155.55,8.56 174.422,8.56 174.676,8.814 174.676,36.678 175.311,37.313 P2.2@177,37.313
  Bottom Layer w0.254: v1(139.05,11.557) U7.49@139.05,14.45
SWDIO: P2.3 U7.46 | length 87.6
  Top Layer w0.254: v1(138.891,17.25) 138.555,16.914 138.555,2.441 139.827,1.168 153.899,1.168 154.432,1.702 154.432,6.655 155.905,8.128 174.803,8.128 175.108,8.433 175.108,33.934 175.946,34.773 P2.3@177,34.773
  Bottom Layer w0.254: v1(138.891,17.25) U7.46@140.85,17.25
TUBE1-0: Q4.1 R22.2 | length 10.8
  Bottom Layer w0.254: R22.2@30.606,40.395 31.699,41.885 37.795,38.43 Q4.1@36.75,36.823
TUBE1-1: Q13.1 R29.2 | length 17.2
  Bottom Layer w0.254: Q13.1@14.395,35.408 15.011,34.646 15.227,34.406 15.24,34.392 15.252,34.402 20.447,38.71 20.441,38.719 ; 15.24,34.417 20.441,38.719 ; R29.2@19.314,40.465 20.676,38.913 20.441,38.719
TUBE1-2: Q12.1 R34.2 | length 10.5
  Bottom Layer w0.254: Q12.1@11.278,40.817 11.339,40.627 11.74,39.379 15.923,40.753 ; 15.968,40.775 15.923,40.753 ; R34.2@17.842,43.402 18.44,41.58 15.923,40.753
TUBE1-3: Q11.1 R40.2 | length 10.6
  Bottom Layer w0.254: Q11.1@10.85,47.242 10.533,45.751 14.99,45.072 17.577,44.679 17.625,44.933 R40.2@17.952,46.638
TUBE1-4: Q10.1 R45.2 | length 10.8
  Bottom Layer w0.254: Q10.1@13.27,53.227 12.243,51.892 12.399,51.79 16.552,49.068 18.212,47.981 R45.2@19.414,49.615
TUBE1-5: Q9.1 R50.2 | length 11
  Bottom Layer w0.254: Q9.1@17.882,57.424 16.281,56.667 16.41,56.478 19.548,51.838 20.371,50.622 R50.2@22.004,51.602
TUBE1-6: Q8.1 R55.2 | length 10.2
  Bottom Layer w0.254: R55.2@28.026,51.582 26.264,52.222 27.006,53.86 29.198,58.691 Q8.1@30.376,58.268
TUBE1-7: Q7.1 R61.2 | length 10.7
  Bottom Layer w0.254: R61.2@30.686,49.505 29.452,50.693 29.261,50.876 30.922,52.41 34.513,55.723 Q7.1@35.605,54.602
TUBE1-8: Q6.1 R23.2 | length 10.8
  Bottom Layer w0.254: R23.2@32.058,46.608 31.445,48.616 33.93,49.273 38.302,50.429 38.456,50.47 Q6.1@38.717,49.074
TUBE1-9: Q5.1 R30.2 | length 10.5
  Bottom Layer w0.254: R30.2@32.068,43.342 32.436,45.263 39.395,44.298 Q5.1@39.13,42.818
TUBE2-0: Q14.1 R35.2 | length 10.6
  Bottom Layer w0.254: R35.2@65.566,40.385 66.929,41.961 72.746,38.049 Q14.1@71.83,36.823
TUBE2-1: Q23.1 R41.2 | length 10.1
  Bottom Layer w0.254: Q23.1@49.405,35.348 50.292,34.392 55.575,39.065 R41.2@54.424,40.365
TUBE2-2: Q22.1 R46.2 | length 10.7
  Bottom Layer w0.254: Q22.1@46.283,40.856 46.761,39.218 53.467,41.554 R46.2@52.942,43.382
TUBE2-3: Q21.1 R51.2 | length 10.9
  Bottom Layer w0.254: Q21.1@45.85,47.242 45.466,45.339 52.553,44.856 R51.2@52.942,46.708
TUBE2-4: Q20.1 R56.2 | length 10.8
  Bottom Layer w0.254: Q20.1@48.27,53.227 47.219,51.714 53.188,48.133 R56.2@54.424,49.675
TUBE2-5: Q19.1 R62.2 | length 10.8
  Bottom Layer w0.254: Q19.1@52.912,57.434 51.308,56.439 55.347,50.622 R62.2@56.884,51.572
TUBE2-6: Q18.1 R24.2 | length 10.5
  Bottom Layer w0.254: R24.2@63.086,51.602 61.316,52.451 64.008,58.979 Q18.1@65.296,58.298
TUBE2-7: Q17.1 R31.2 | length 10.7
  Bottom Layer w0.254: R31.2@65.696,49.525 64.364,50.8 69.342,55.956 Q17.1@70.535,54.692
TUBE2-8: Q16.1 R36.2 | length 10.5
  Bottom Layer w0.254: R36.2@67.058,46.598 66.523,48.438 73.33,50.597 Q16.1@73.697,49.154
TUBE2-9: Q15.1 R42.2 | length 10.7
  Bottom Layer w0.254: R42.2@67.038,43.352 67.361,45.212 74.397,44.45 Q15.1@74.1,42.778
TUBE3-0: Q24.1 R47.2 | length 10.9
  Bottom Layer w0.254: R47.2@125.596,40.355 126.746,41.91 132.842,38.329 Q24.1@131.77,36.823
TUBE3-1: Q33.1 R52.2 | length 10.2
  Bottom Layer w0.254: Q33.1@109.425,35.368 110.338,34.366 115.646,39.116 R52.2@114.444,40.345
TUBE3-2: Q32.1 R57.2 | length 10.7
  Bottom Layer w0.254: Q32.1@106.283,40.856 106.883,38.989 113.436,41.783 R57.2@112.952,43.292
TUBE3-3: Q31.1 R63.2 | length 11.2
  Bottom Layer w0.254: Q31.1@105.85,47.242 105.639,44.679 112.674,45.085 R63.2@112.912,46.638
TUBE3-4: Q30.1 R25.2 | length 11.2
  Bottom Layer w0.254: Q30.1@108.27,53.227 106.959,51.384 113.436,48.209 R25.2@114.404,49.605
TUBE3-5: Q29.1 R32.2 | length 10.6
  Bottom Layer w0.254: Q29.1@112.912,57.434 111.227,56.185 115.316,50.876 R32.2@117.014,51.612
TUBE3-6: Q28.1 R37.2 | length 10.1
  Bottom Layer w0.254: R37.2@123.046,51.602 121.361,52.4 124.079,58.852 Q28.1@125.226,58.328
TUBE3-7: Q27.1 R43.2 | length 10.2
  Bottom Layer w0.254: R43.2@125.616,49.555 124.485,51.105 129.743,55.651 Q27.1@130.585,54.612
TUBE3-8: Q26.1 R48.2 | length 10.6
  Bottom Layer w0.254: R48.2@127.048,46.608 126.543,48.438 133.325,50.673 Q26.1@133.687,49.154
TUBE3-9: Q25.1 R53.2 | length 11
  Bottom Layer w0.254: R53.2@127.028,43.272 127.406,45.085 134.417,44.831 Q25.1@134.11,42.748
TUBE4-0: Q34.1 R58.2 | length 10.5
  Bottom Layer w0.254: R58.2@160.636,40.405 161.925,41.859 167.767,38.227 Q34.1@166.78,36.823
TUBE4-1: Q43.1 R64.2 | length 10.2
  Bottom Layer w0.254: Q43.1@144.475,35.268 145.339,34.29 150.647,38.989 R64.2@149.434,40.365
TUBE4-2: Q42.1 R26.2 | length 10.7
  Bottom Layer w0.254: Q42.1@141.283,40.856 141.883,39.255 145.5,40.459 148.641,41.504 R26.2@147.962,43.292
TUBE4-3: Q41.1 R33.2 | length 10.3
  Bottom Layer w0.254: Q41.1@140.85,47.242 140.538,45.847 147.472,44.679 R33.2@147.932,46.458
TUBE4-4: Q40.1 R38.2 | length 10.5
  Bottom Layer w0.254: Q40.1@143.27,53.227 142.494,52.157 146.385,49.135 148.133,47.777 R38.2@149.304,49.465
TUBE4-5: Q39.1 R44.2 | length 10.5
  Bottom Layer w0.254: Q39.1@147.902,57.434 146.757,56.796 148.36,53.83 150.19,50.444 R44.2@151.854,51.562
TUBE4-6: Q38.1 R49.2 | length 10.1
  Bottom Layer w0.254: R49.2@158.026,51.652 156.286,52.375 159.283,58.776 Q38.1@160.366,58.278
TUBE4-7: Q37.1 R54.2 | length 10.3
  Bottom Layer w0.254: R54.2@160.666,49.575 159.385,51.105 164.846,55.575 Q37.1@165.585,54.622
TUBE4-8: Q36.1 R59.2 | length 10
  Bottom Layer w0.254: R59.2@162.098,46.668 161.595,48.565 168.351,50.216 Q36.1@168.687,49.164
TUBE4-9: Q35.1 R65.2 | length 10.4
  Bottom Layer w0.254: R65.2@162.088,43.382 162.585,45.314 169.52,44.069 Q35.1@169.15,42.768
TX1: P3.3 U7.42 U8.3 | length 40.7
  Top Layer w0.254: v1(162.23,26.822) 162.255,26.848 P3.3@162.255,28.804
  Bottom Layer w0.254: U7.42@140.85,19.25 144.751,19.25 145.339,19.837 145.339,28.448 146.228,29.337 158.293,29.337 158.826,28.804 P3.3@162.255,28.804 P3.3@162.255,29.286 ; v1(162.23,26.822) 163.601,26.822 165.227,25.197 165.227,23.851 165.859,23.218 U8.3@167.32,23.218
UD+: J7.3 U8.5 | length 23.7
  Bottom Layer w0.254: U8.5@167.32,20.678 165.331,20.678 164.998,20.345 164.998,14.63 166.819,12.81 J7.3@179.799,12.81
UD-: J7.2 U8.6 | length 20.9
  Bottom Layer w0.254: U8.6@167.32,19.408 165.839,19.408 165.557,19.126 165.557,15.011 167.109,13.46 J7.2@179.799,13.46
VH: C10.1 D2.2 J2.1 R5.2 R6.2 R7.1 R7.2 R8.2 R11.2 R15.2 R16.2 | length 345.8
  Top Layer w0.508: v2(82.575,32.334) v2(88.849,32.334)
  Bottom Layer w0.508: 0.406,28.27 67.361,28.27 ; J2.1@4.183,51.633 1.29,51.633 0.406,50.749 0.406,10.668 1.6,9.474 12.395,9.474 13.487,8.382 13.487,3.454 14.072,2.87 37.82,2.87 ; 32.437,28.525 R8.2@32.437,34.011 ; D2.2@33.92,13.91 34.99,13.91 37.82,11.08 ; 37.82,2.896 37.82,11.08 ; 37.897,5.6 43.8,5.6 44.7,6.5 44.7,14.3 45.38,14.98 R7.1@54.02,14.98 56.687,14.98 56.893,15.186 R7.2@56.893,17.58 ; C10.1@40.28,11.08 37.82,11.08 ; R6.2@67.362,34.011 67.362,28.271 67.361,28.27 ; 82.575,39.316 R11.2@85.307,39.316 ; R5.2@85.307,56.555 82.575,56.555 82.575,28.854 81.991,28.27 67.361,28.27 ; v2(88.849,32.334) 90.399,30.785 126.06,30.785 127.204,31.929 ; R15.2@127.204,34.011 127.204,31.902 132.004,31.902 133.655,33.553 138.737,33.553 140.033,32.258 161.874,32.258 162.104,32.488 R16.2@162.104,34.011
pads on no net: BT1.0 J7. J7.6 J7.7 T6.1 T6.8 T7.1 T7.8 T8.1 T8.8 T9.1 T9.8 U5.2 U7.2 U7.3 U7.4 U7.8 U7.9 U7.10 U7.11 U7.20 U7.21 U7.24 U7.25 U7.27 U7.33 U7.34 U7.35 U7.36 U7.37 U7.38 U7.39 U7.40 U7.41 U7.44 U7.57 U7.62 U8.9 U8.10 U8.13 U8.14 U8.15 U13.9 U15.1 U15.4

## Polygon pours and split planes (outlines as drawn)
DGND on Bottom Layer "Bottom Layer-No Net" (solid, pour order 8): -5.156,61.798 -5.156,74.803 184.988,74.803 184.988,-5.283 75.463,-5.283 75.463,30.683 170.336,30.683 170.336,61.798
GND on Bottom Layer "Bottom Layer-No Net" (solid, pour order 6): -5.127,61.848 170.383,61.848 170.383,30.886 75.336,30.886 75.336,-5.152 -5.127,-5.152
DGND on Top Layer "Bottom Layer-No Net" (solid, pour order 7): -5.105,61.874 -5.105,74.879 185.039,74.879 185.039,-5.207 74.981,-5.207 74.981,31.769 170.387,31.769 170.387,61.874
GND on Top Layer "Bottom Layer-No Net" (solid, pour order 5): -5.124,61.866 170.387,61.866 170.387,31.769 75.34,31.769 75.34,-5.134 -5.124,-5.134

## Keep-outs
Keep-Out Layer:
  lines w0.254: -5,-3.5 ccw(c-3.5,-3.5) -3.5,-5 ; -5,-3.499 -5,73.5 cw(c-3.5,73.5) -3.5,75 ; -3.521,-5 183.458,-5 ; -3.519,75 183.539,75 ; 183.5,-5 ccw(c183.5,-3.5) 185,-3.5 ; 183.5,75 cw(c183.5,73.5) 185,73.5 ; 185,-3.527 185,73.549

## Other copper
Bottom Layer:
  rectangle net NetD2_1: 29.058,11.684 30.683,14.503
  rectangle net DGND: 179.019,11.328 180.569,12.344

## Silkscreen, mask and mechanical layers (free items; w line width, h text height)
Top Overlay:
  circle w0.254: c154.991,45.009 r0.036
  circle w0.254: c119.99,45.009 r0.025
  circle w0.254: c90,36.5 r0.025
  circle w0.254: c89.992,53.492 r0.025
  circle w0.254: c59.995,45.009 r0.092
  circle w0.254: c25,45 r0.1
Bottom Overlay:
  circle w0.254: c128.48,90.27 r4.8
Top Solder:
  drawing of 38705 lines, arcs and shapes, not listed
Bottom Solder:
  text "12V DC" at -3.3,20.8 h3 r270
  text "UART TO USB" at 182,18.8 h2 r270
  text "Battery CR1220" at 111.15,1.524 h2.03
  text "Designed By YYH" at 14,-2.879 h2
  text "The NiXie Clock has high voltage which is about  170V,Please do not touch it when the power is on!" at 180.1,-2.9 h2

## Text inside footprints (layer, text, board x,y; h text height)
U1: Bottom Overlay "OUT+" at 69.635,14.201 h1.52 r90; Bottom Overlay "IN-" at 62.244,17.884 h1.52 r90